# Altium PCB BMS_Slave_back.PcbDoc (part 1 of 2)
Units mil, origin at the board's own origin, x right, y up, seen from the top; angles counter-clockwise.
Board outline 10980 x 2910 mil, 5 copper layers (Top Layer, Mid-Layer 1, Layer 1, Layer 2, Bottom Layer), stack 37.756 mil thick; 359 components, 245 nets, 991 pads, 116 vias.
Unrouted connection lines stored in the file: 231.
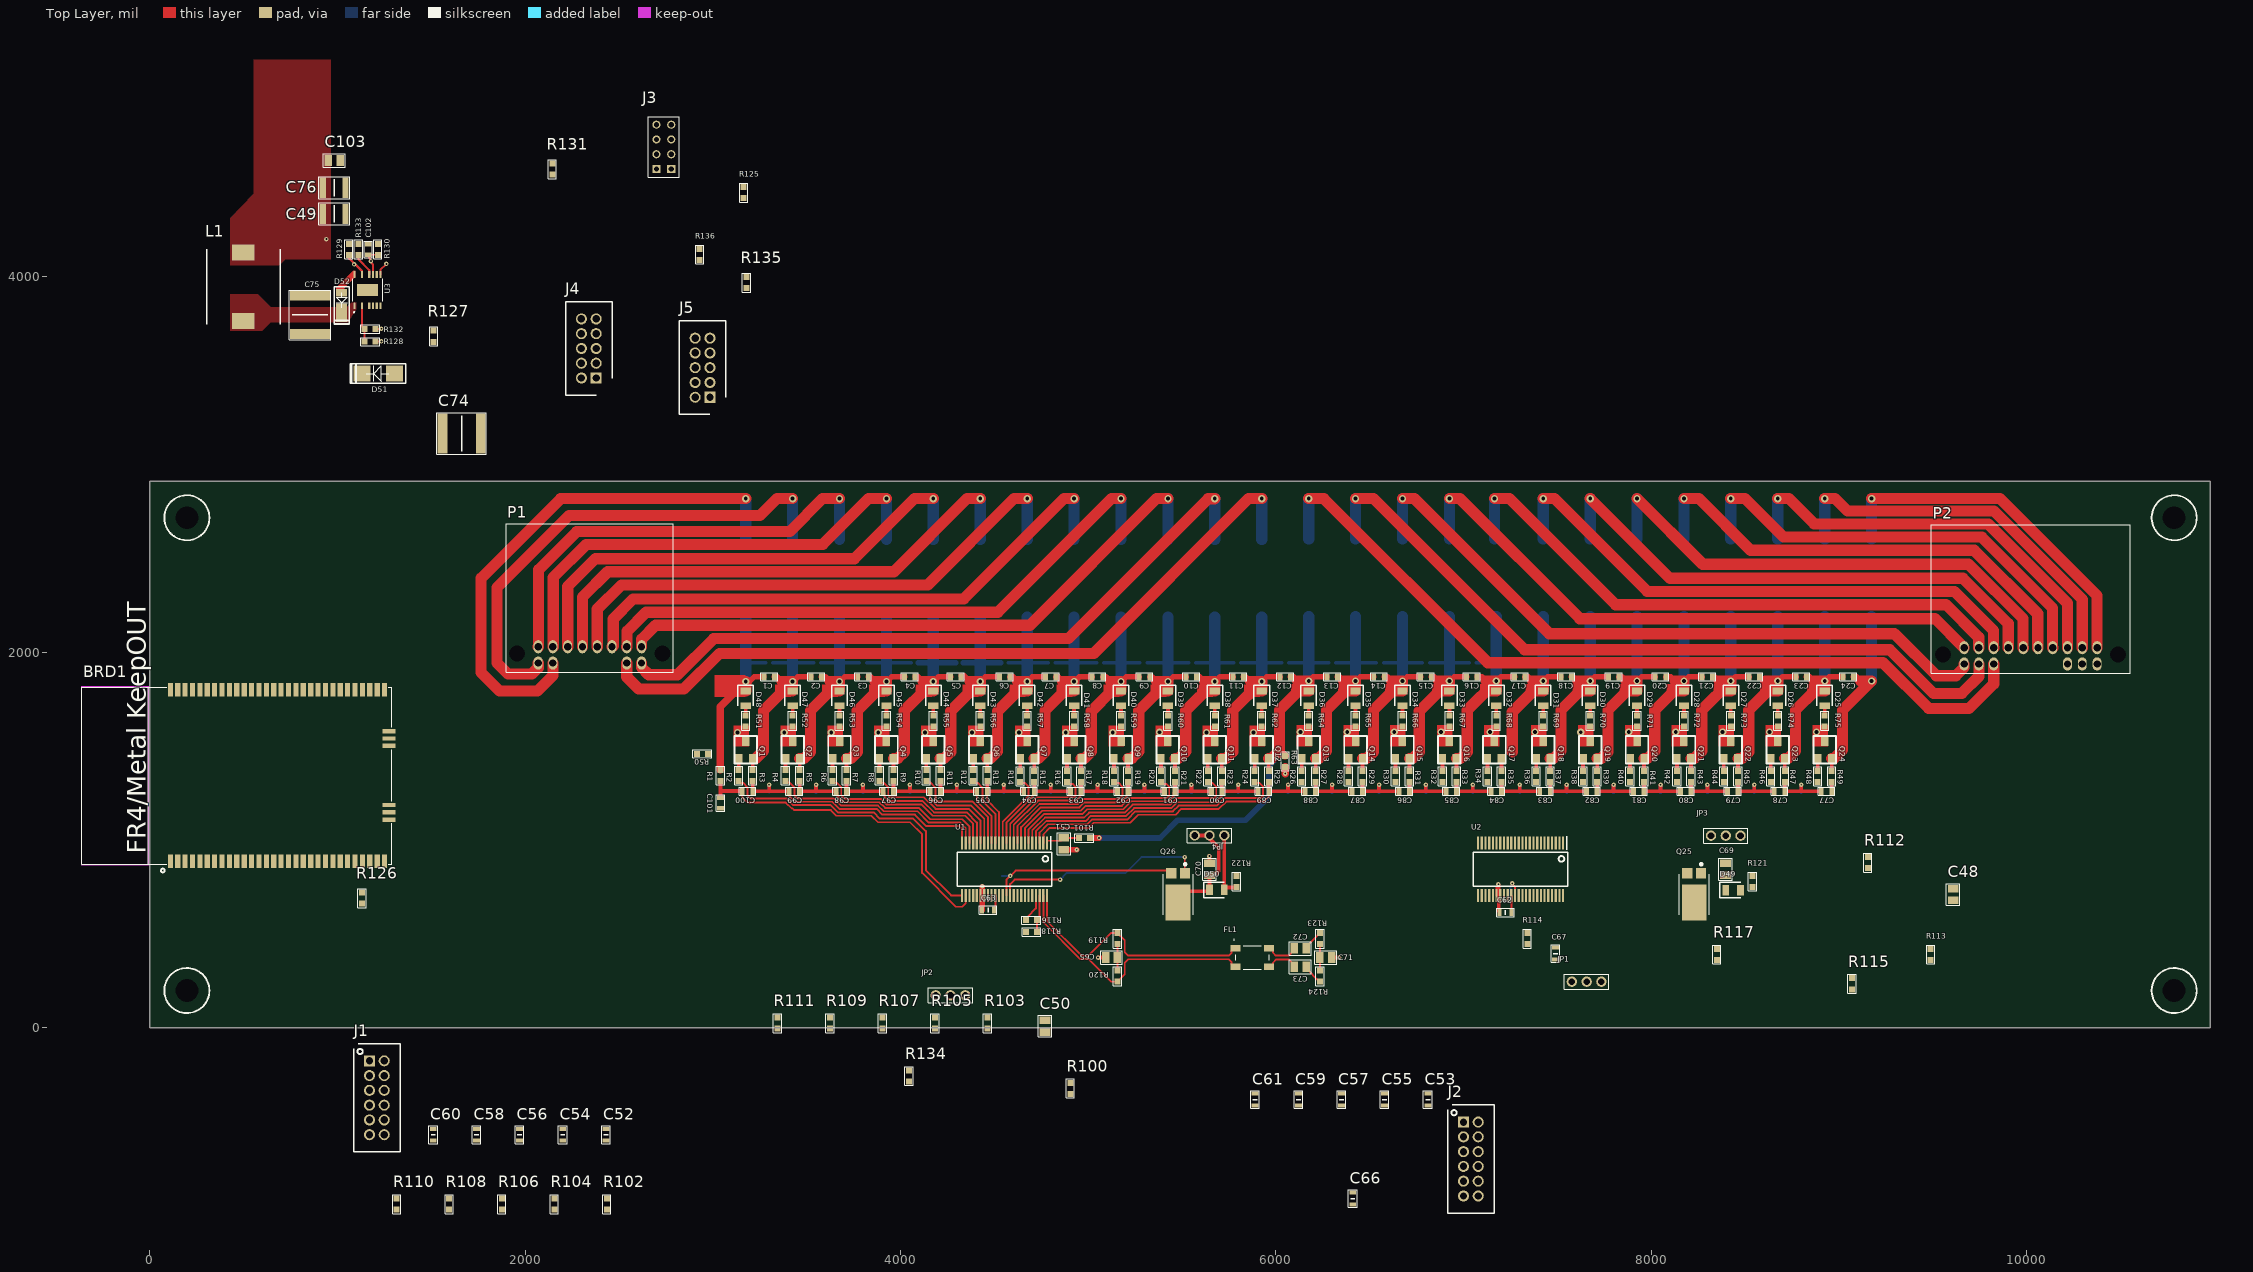
[diagram p0: Top Layer view]
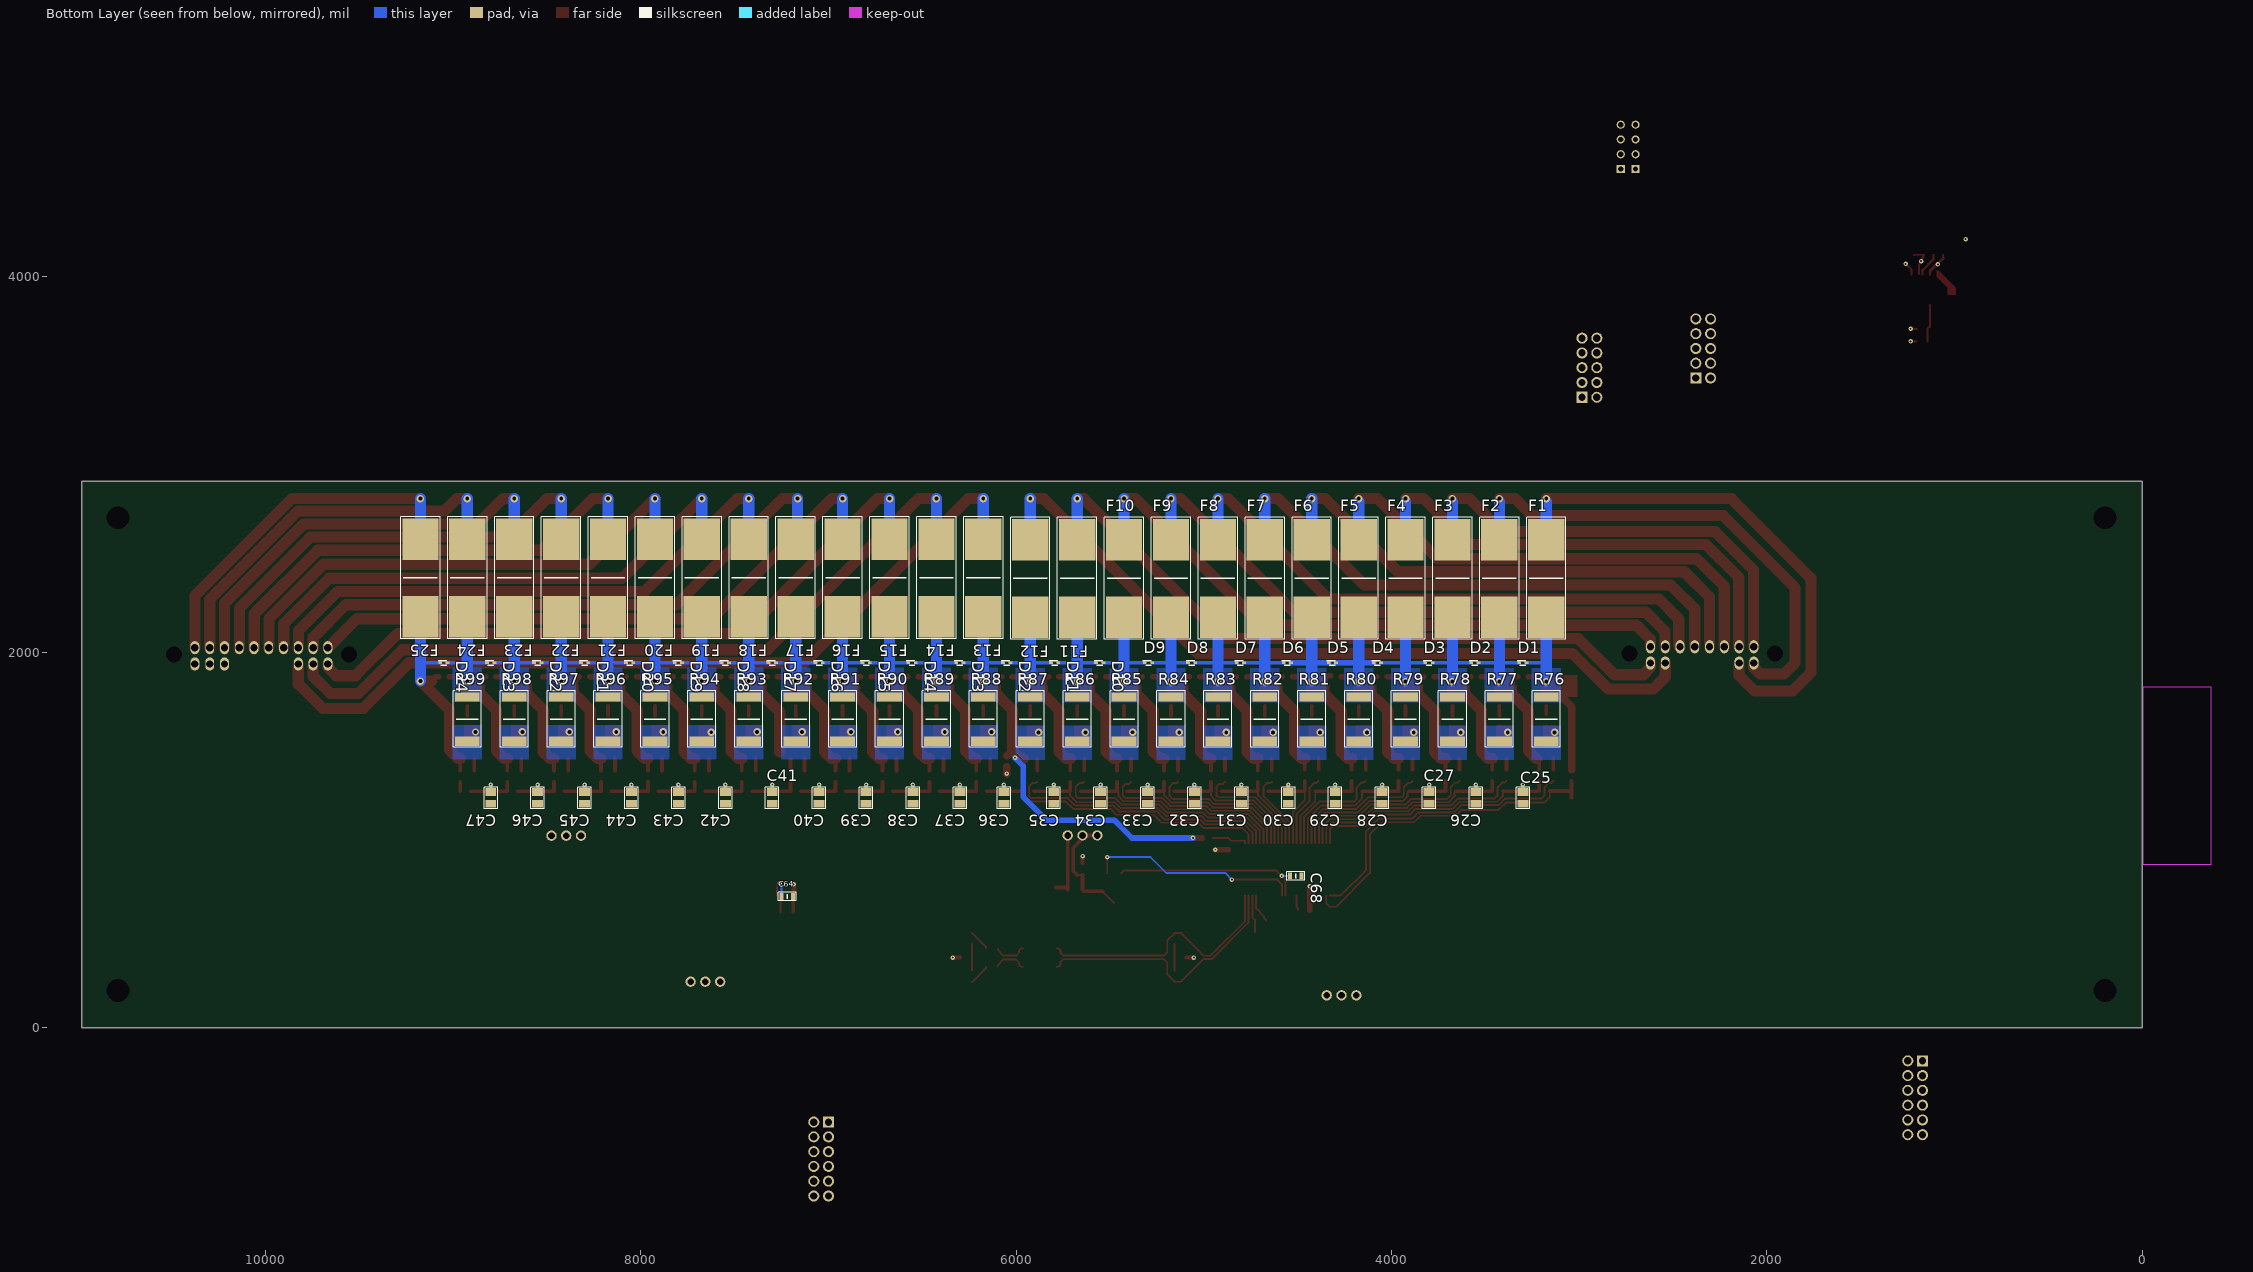
[diagram p1: Bottom Layer view, seen from below]
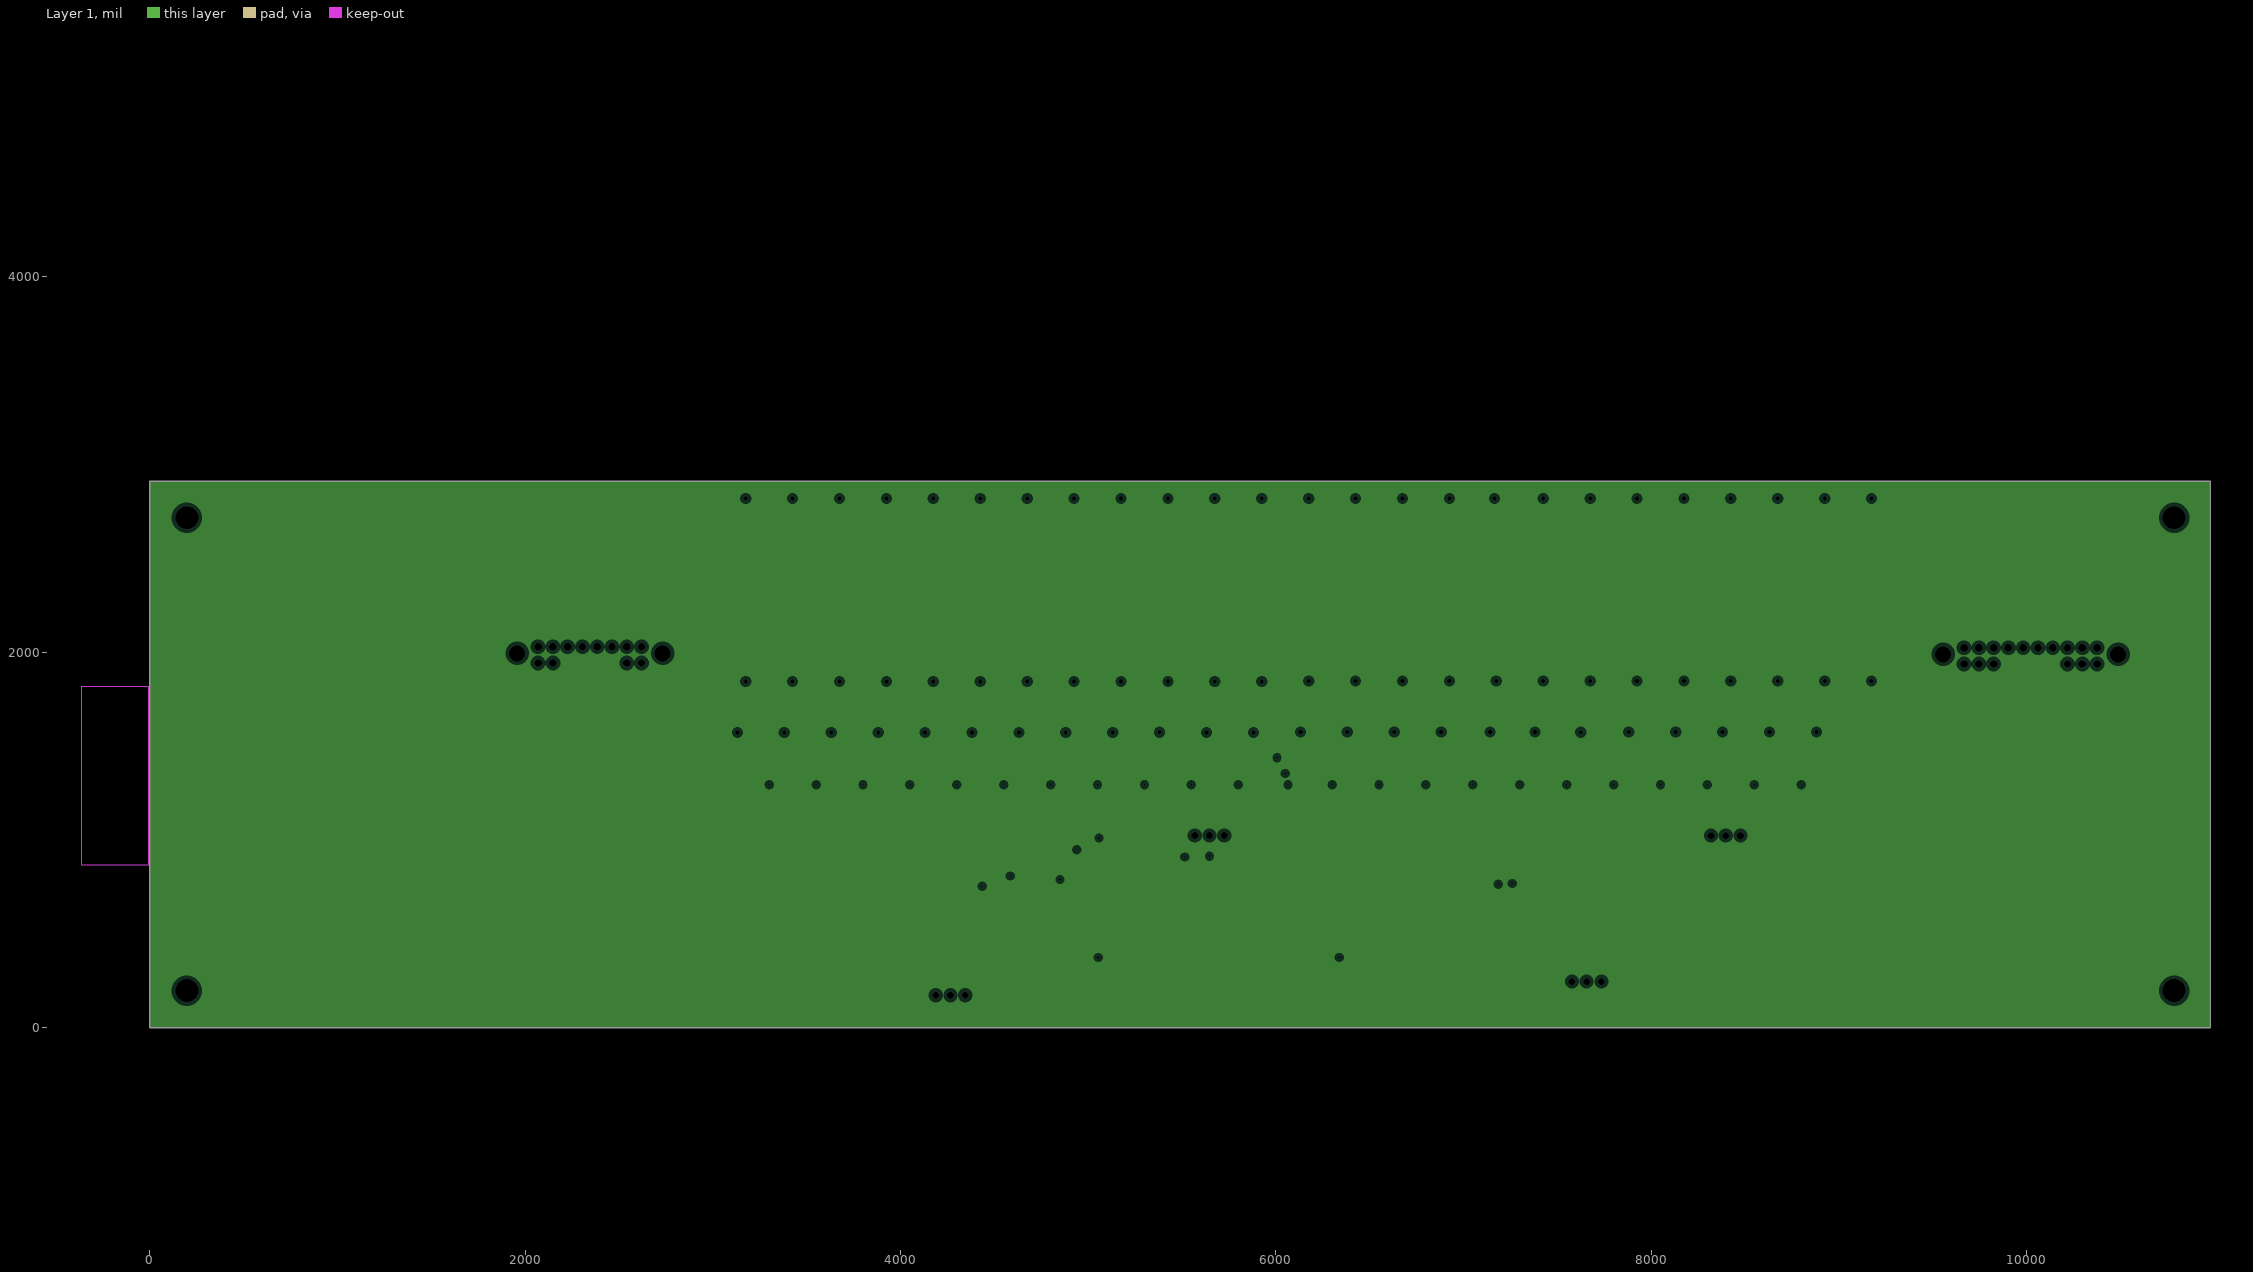
[diagram p2: Layer 1, clearances drawn from the general rule]
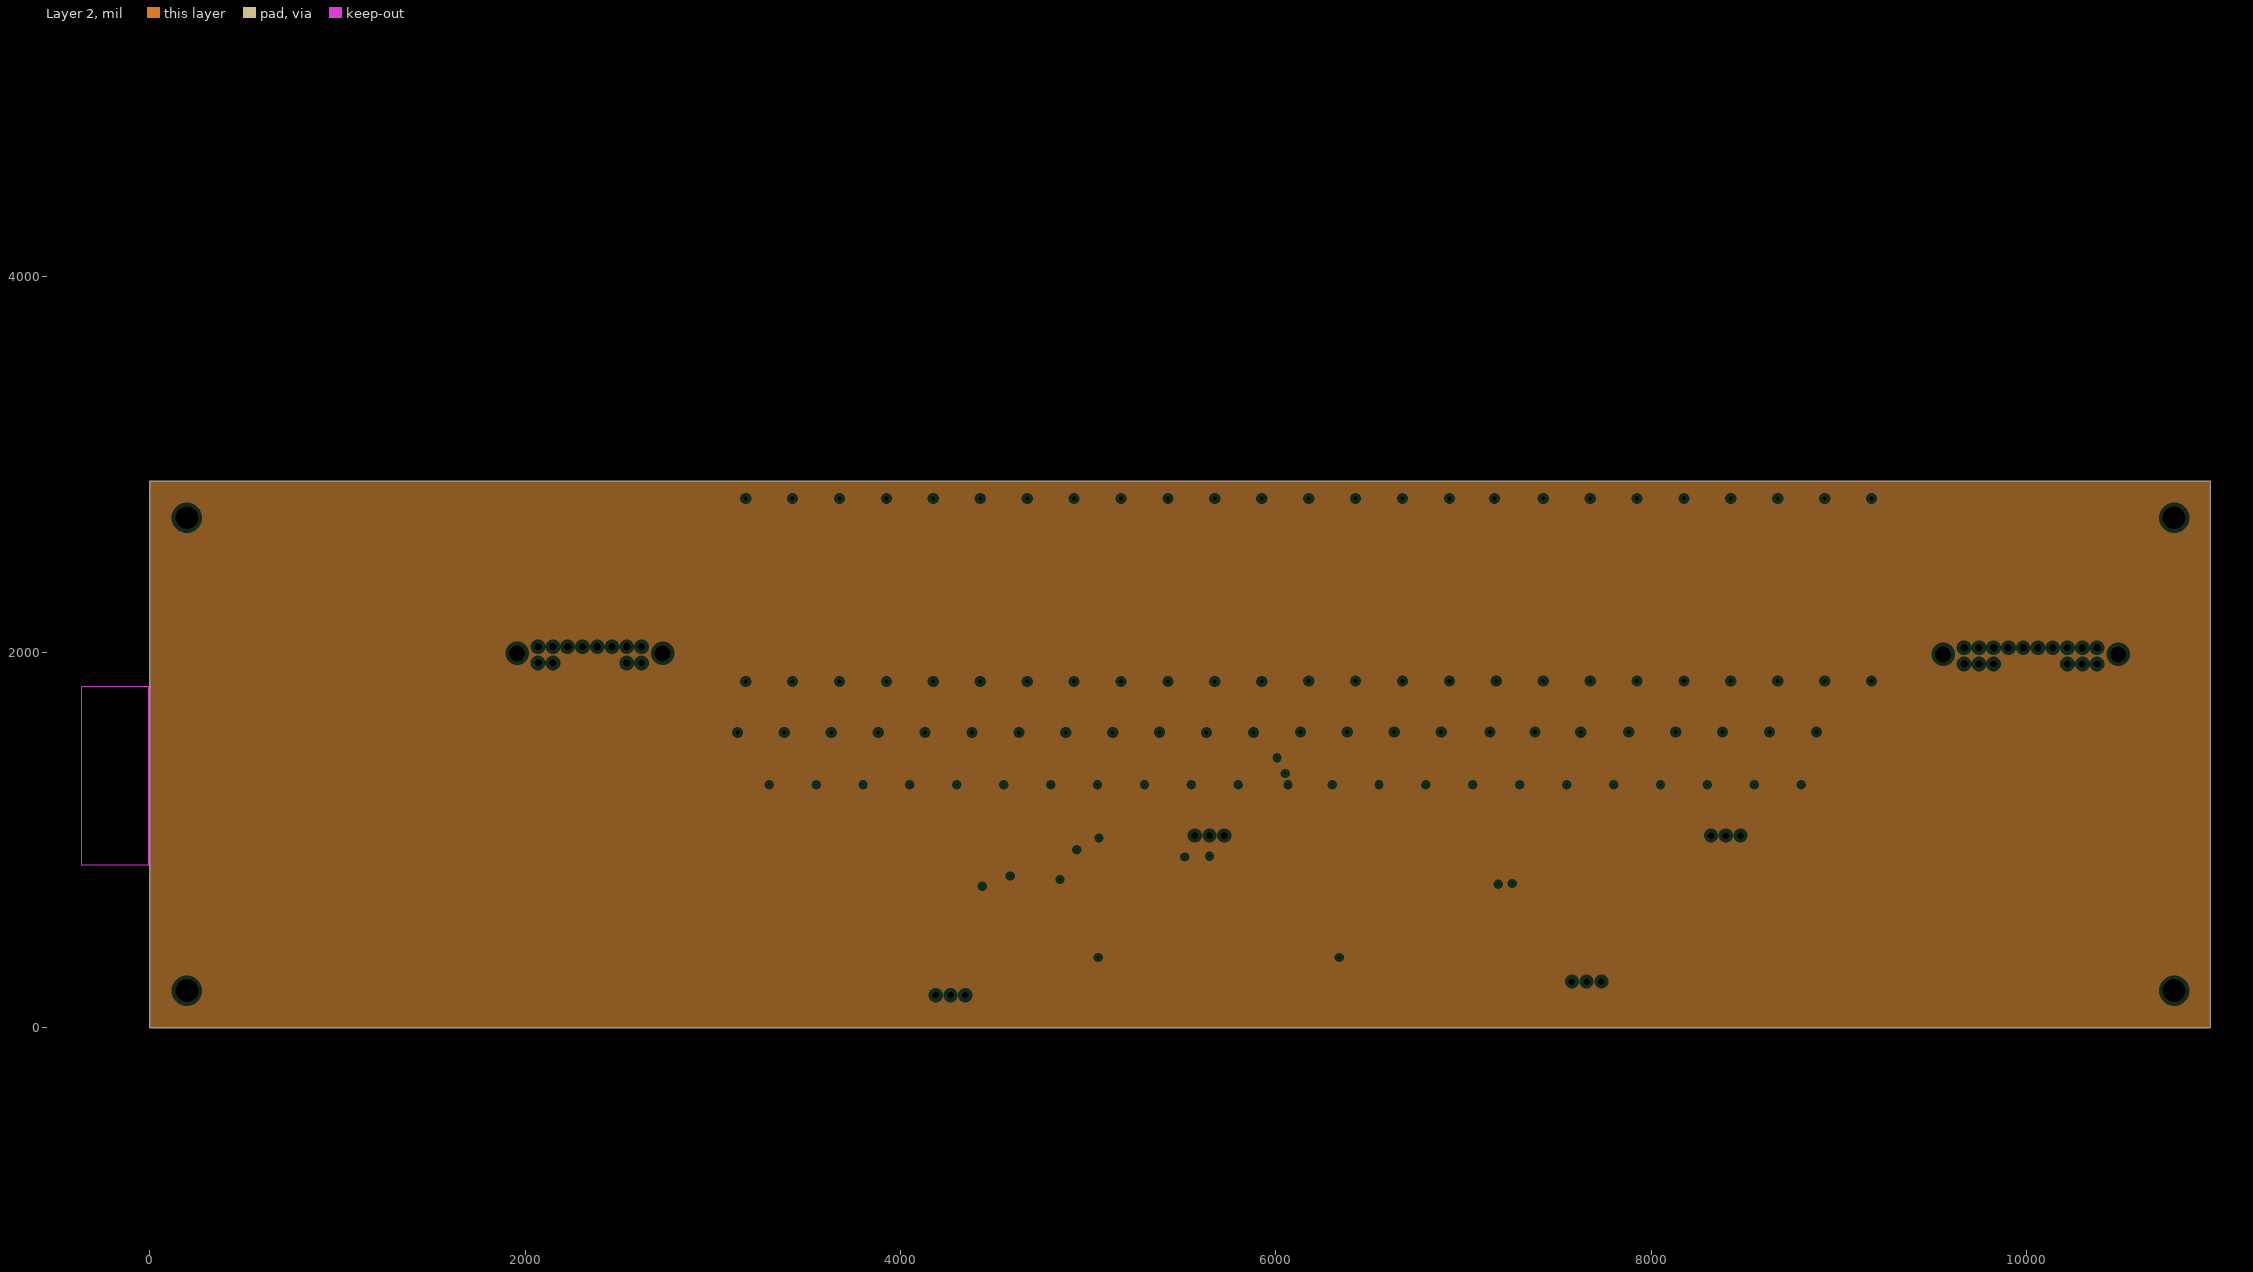
[diagram p3: Layer 2, clearances drawn from the general rule]

## Layer stack, top to bottom
Top Solder: solder mask 0.4, Solder Resist, Dk 3.5
Top Layer: signal copper 1.4
Dielectric 1: dielectric 12.6, FR-4, Dk 4.8
Mid-Layer 1: signal copper 1.4
Dielectric4: dielectric 12.6, FR-4, Dk 4.8
Layer 1: plane copper 1.3779
Dielectric 3: prepreg 2.8, PP-006, Dk 4.1
Layer 2: plane copper 1.3779
Dielectric 2: prepreg 2.8, PP-006, Dk 4.1
Bottom Layer: signal copper 1.4
Bottom Solder: solder mask 0.4, Solder Resist, Dk 3.5

## Board outline
0,0 10980,0 10980,2910 0,2910

## Design rules (kind name [scope] priority, off if disabled: settings)
Clearance [All] p1: gap=10 ignorepadtopadclearanceinfootprint=FALSE except(0: Arc-Hole Track-Hole SMDPad-Hole THPad-Hole Via-Hole Fill-Hole Poly-Hole Region-Hole Text-Hole; 2: SMDPad-SMDPad; 6: Arc-Arc Arc-Track Track-Track; 8: Arc-SMDPad Track-SMDPad)
DiffPairsRouting [All] p1: maxlimit=10 minlimit=8 mostfreqgap=10 toplayer_minwidth=10 toplayer_maxwidth=15 toplayer_prefwidth=15 midlayer1_mingap=10 midlayer1_minwidth=15 midlayer1_maxwidth=15 midlayer1_prefwidth=15 bottomlayer_minwidth=10 bottomlayer_maxwidth=15 bottomlayer_prefwidth=15 maxuncoupledlength=500
PlaneClearance [All] p1: clearance=20
PlaneConnect [All] p1: planeconnectstyle=Relief reliefexpansion=20 reliefentries=4 reliefconductorwidth=10 reliefairgap=10
PolygonConnect [All] p1: thpad.connectstyle=Relief thpad.reliefconductorwidth=10 thpad.reliefentries=4 thpad.polygonreliefangle="90 Angle" thpad.airgapwidth=10 smdpad.connectstyle=Direct smdpad.reliefconductorwidth=10 smdpad.reliefentries=4 smdpad.polygonreliefangle="90 Angle" smdpad.airgapwidth=10 via.connectstyle=Direct via.reliefconductorwidth=10 via.reliefentries=4 via.polygonreliefangle="90 Angle" via.airgapwidth=10
RoutingVias [All] p1: holewidth=28 width=50 viastyle="Through Hole" minholewidth=28 minwidth=50 maxholewidth=28 maxwidth=50
SolderMaskExpansion [All] p1: expansion=4
Width [All] p1: maxlimit=60 minlimit=10 preferedwidth=10
27 further rules are at their usual default settings.

## Classes and differential pairs
differential pair ISO_SPI_MED: +ISO_SPI_MED_P -ISO_SPI_MED_N
differential pair ISO_SPI_TOP: +ISO_SPI_TOP_P -ISO_SPI_TOP_N
differential pair ISO_SPI_BOTTOM: +ISO_SPI_BOTTOM_P -ISO_SPI_BOTTOM_N

## Components (designator, comment, footprint, x,y, rotation, side; value= is the part's Value field where it differs from the comment)
BRD1 "LTP5901-IPM" LTP5901-IPM 108.82,886.61 r90 top
C1 "C0603C104K3RACTU" CAPC1608X85N 3300,1868.66 r180 top
C2 "C0603C104K3RACTU" CAPC1608X85N 3550,1868.66 r180 top
C3 "C0603C104K3RACTU" CAPC1608X85N 3800,1868.66 r180 top
C4 "C0603C104K3RACTU" CAPC1608X85N 4050,1868.66 r180 top
C5 "C0603C104K3RACTU" CAPC1608X85N 4295,1868.66 r180 top
C6 "C0603C104K3RACTU" CAPC1608X85N 4555,1868.66 r180 top
C7 "C0603C104K3RACTU" CAPC1608X85N 4800,1868.66 r180 top
C8 "C0603C104K3RACTU" CAPC1608X85N 5050,1868.66 r180 top
C9 "C0603C104K3RACTU" CAPC1608X85N 5300,1868.66 r180 top
C10 "C0603C104K3RACTU" CAPC1608X85N 5550,1868.66 r180 top
C11 "C0603C104K3RACTU" CAPC1608X85N 5800,1868.66 r180 top
C12 "C0603C104K3RACTU" CAPC1608X85N 6050,1868.66 r180 top
C13 "C0603C104K3RACTU" CAPC1608X85N 6300,1868.66 r180 top
C14 "C0603C104K3RACTU" CAPC1608X85N 6550,1868.66 r180 top
C15 "C0603C104K3RACTU" CAPC1608X85N 6800,1868.66 r180 top
C16 "C0603C104K3RACTU" CAPC1608X85N 7045,1868.66 r180 top
C17 "C0603C104K3RACTU" CAPC1608X85N 7300,1868.66 r180 top
C18 "C0603C104K3RACTU" CAPC1608X85N 7547.36,1868.66 r180 top
C19 "C0603C104K3RACTU" CAPC1608X85N 7800,1868.66 r180 top
C20 "C0603C104K3RACTU" CAPC1608X85N 8050,1868.66 r180 top
C21 "C0603C104K3RACTU" CAPC1608X85N 8300,1868.66 r180 top
C22 "C0603C104K3RACTU" CAPC1608X85N 8550,1868.66 r180 top
C23 "C0603C104K3RACTU" CAPC1608X85N 8800,1868.66 r180 top
C24 "C0603C104K3RACTU" CAPC1608X85N 9050,1868.66 r180 top
C25 "200V, 0.01uF, 0603, X7R" CAPC2012X88N 3300,1223.66 r270 bottom
C26 "200V, 0.01uF, 0603, X7R" CAPC2012X88N 3550,1223.66 r270 bottom
C27 "200V, 0.01uF, 0603, X7R" CAPC2012X88N 3800,1223.66 r270 bottom
C28 "200V, 0.01uF, 0603, X7R" CAPC2012X88N 4050,1223.66 r270 bottom
C29 "200V, 0.01uF, 0603, X7R" CAPC2012X88N 4300,1223.66 r270 bottom
C30 "200V, 0.01uF, 0603, X7R" CAPC2012X88N 4550,1223.66 r270 bottom
C31 "200V, 0.01uF, 0603, X7R" CAPC2012X88N 4800,1223.66 r270 bottom
C32 "200V, 0.01uF, 0603, X7R" CAPC2012X88N 5050,1223.66 r270 bottom
C33 "200V, 0.01uF, 0603, X7R" CAPC2012X88N 5300,1223.66 r270 bottom
C34 "200V, 0.01uF, 0603, X7R" CAPC2012X88N 5550,1223.66 r270 bottom
C35 "200V, 0.01uF, 0603, X7R" CAPC2012X88N 5800,1223.66 r270 bottom
C36 "200V, 0.01uF, 0603, X7R" CAPC2012X88N 6065,1223.66 r270 bottom
C37 "200V, 0.01uF, 0603, X7R" CAPC2012X88N 6300,1223.66 r270 bottom
C38 "200V, 0.01uF, 0603, X7R" CAPC2012X88N 6550,1223.66 r270 bottom
C39 "200V, 0.01uF, 0603, X7R" CAPC2012X88N 6800,1223.66 r270 bottom
C40 "200V, 0.01uF, 0603, X7R" CAPC2012X88N 7050,1223.66 r270 bottom
C41 "200V, 0.01uF, 0603, X7R" CAPC2012X88N 7300,1223.66 r270 bottom
C42 "200V, 0.01uF, 0603, X7R" CAPC2012X88N 7550,1223.66 r270 bottom
C43 "200V, 0.01uF, 0603, X7R" CAPC2012X88N 7800,1223.66 r270 bottom
C44 "200V, 0.01uF, 0603, X7R" CAPC2012X88N 8050,1223.66 r270 bottom
C45 "200V, 0.01uF, 0603, X7R" CAPC2012X88N 8300,1223.66 r270 bottom
C46 "200V, 0.01uF, 0603, X7R" CAPC2012X88N 8550,1223.66 r270 bottom
C47 "200V, 0.01uF, 0603, X7R" CAPC2012X88N 8800,1223.66 r270 bottom
C48 "200V, 0.01uF, 0603, X7R" CAPC2012X88N 9610,708.66 r270 top
C49 "GRM32ER61A107ME20L" CAPC3225X270N 982,4336 r0 top
C50 "200V, 0.01uF, 0603, X7R" CAPC2012X88N 4770,7.56 r270 top
C51 "200V, 0.01uF, 0603, X7R" CAPC2012X88N 4870,978.66 r270 top
C52 "CGA3E1X7R1E105K080AC" CAPC1608X90N 2430,-571.34 r270 top
C53 "CGA3E1X7R1E105K080AC" CAPC1608X90N 6810,-383.94 r270 top
C54 "CGA3E1X7R1E105K080AC" CAPC1608X90N 2200,-571.34 r270 top
C55 "CGA3E1X7R1E105K080AC" CAPC1608X90N 6580,-383.94 r270 top
C56 "CGA3E1X7R1E105K080AC" CAPC1608X90N 1970,-571.34 r270 top
C57 "CGA3E1X7R1E105K080AC" CAPC1608X90N 6350,-383.94 r270 top
C58 "CGA3E1X7R1E105K080AC" CAPC1608X90N 1740,-571.34 r270 top
C59 "CGA3E1X7R1E105K080AC" CAPC1608X90N 6120,-383.94 r270 top
C60 "CGA3E1X7R1E105K080AC" CAPC1608X90N 1510,-571.34 r270 top
C61 "CGA3E1X7R1E105K080AC" CAPC1608X90N 5890,-383.94 r270 top
C62 "CGA3E1X7R1E105K080AC" CAPC1608X90N 7223.7,613.66 r180 top
C63 "CGA3E1X7R1E105K080AC" CAPC1608X90N 4466.5,625.66 r180 top
C64 "CGA3E1X7R1E105K080AC" CAPC1608X90N 7220,698.66 r180 bottom
C65 "200V, 0.01uF, 0603, X7R" CAPC2012X88N 5124.5,373.08 r180 top
C66 "CGA3E1X7R1E105K080AC" CAPC1608X90N 6410,-911.34 r270 top
C67 "CGA3E1X7R1E105K080AC" CAPC1608X90N 7490,393.66 r270 top
C68 "CGA3E1X7R1E105K080AC" CAPC1608X90N 4509.97,807.52 r180 bottom
C69 "200V, 0.01uF, 0603, X7R" CAPC2012X88N 8396.52,843.66 r90 top
C70 "200V, 0.01uF, 0603, X7R" CAPC2012X88N 5646.52,843.66 r90 top
C71 "200V, 0.01uF, 0603, X7R" CAPC2012X88N 6266.5,373.08 r0 top
C72 "200V, 0.01uF, 0603, X7R" CAPC2012X88N 6130,422.29 r180 top
C73 "200V, 0.01uF, 0603, X7R" CAPC2012X88N 6130,323.87 r180 top
C74 "C2220C105KARACAUTO" CAPC5750X165N 1661,3166 r0 top
C75 "C2220C105KARACAUTO" CAPC5750X165N 853.58,3797.68 r90 top
C76 "GRM32ER61A107ME20L" CAPC3225X270N 982,4475 r0 top
C77 "200V, 0.01uF, 0603, X7R" CAPC1608X85N 8934.4,1258.66 r180 top
C78 "200V, 0.01uF, 0603, X7R" CAPC1608X85N 8684.4,1258.66 r180 top
C79 "200V, 0.01uF, 0603, X7R" CAPC1608X85N 8434.4,1258.66 r180 top
C80 "200V, 0.01uF, 0603, X7R" CAPC1608X85N 8184.4,1258.66 r180 top
C81 "200V, 0.01uF, 0603, X7R" CAPC1608X85N 7934.4,1258.66 r180 top
C82 "200V, 0.01uF, 0603, X7R" CAPC1608X85N 7684.4,1258.66 r180 top
C83 "200V, 0.01uF, 0603, X7R" CAPC1608X85N 7434.4,1258.66 r180 top
C84 "200V, 0.01uF, 0603, X7R" CAPC1608X85N 7174.4,1258.66 r180 top
C85 "200V, 0.01uF, 0603, X7R" CAPC1608X85N 6934.4,1258.66 r180 top
C86 "200V, 0.01uF, 0603, X7R" CAPC1608X85N 6684.4,1258.66 r180 top
C87 "200V, 0.01uF, 0603, X7R" CAPC1608X85N 6434.4,1258.66 r180 top
C88 "200V, 0.01uF, 0603, X7R" CAPC1608X85N 6184.4,1258.66 r180 top
C89 "200V, 0.01uF, 0603, X7R" CAPC1608X85N 5934.4,1258.66 r180 top
C90 "200V, 0.01uF, 0603, X7R" CAPC1608X85N 5684.4,1258.66 r180 top
C91 "200V, 0.01uF, 0603, X7R" CAPC1608X85N 5434.4,1258.66 r180 top
C92 "200V, 0.01uF, 0603, X7R" CAPC1608X85N 5184.4,1258.66 r180 top
C93 "200V, 0.01uF, 0603, X7R" CAPC1608X85N 4934.4,1258.66 r180 top
C94 "200V, 0.01uF, 0603, X7R" CAPC1608X85N 4684.4,1258.66 r180 top
C95 "200V, 0.01uF, 0603, X7R" CAPC1608X85N 4434.4,1258.66 r180 top
C96 "200V, 0.01uF, 0603, X7R" CAPC1608X85N 4184.4,1258.66 r180 top
C97 "200V, 0.01uF, 0603, X7R" CAPC1608X85N 3934.4,1258.66 r180 top
C98 "200V, 0.01uF, 0603, X7R" CAPC1608X85N 3684.4,1258.66 r180 top
C99 "200V, 0.01uF, 0603, X7R" CAPC1608X85N 3434.4,1258.66 r180 top
C100 "200V, 0.01uF, 0603, X7R" CAPC1608X85N 3184.4,1258.66 r180 top
C101 "200V, 0.01uF, 0603, X7R" CAPC1608X85N 3040,1196.66 r270 top
C102 "200V, 0.01uF, 0603, X7R" CAPC1608X85N 1163.39,4145.87 r90 top
C103 "200V, 0.01uF, 0603, X7R" CAPC2012X88N 982,4621 r0 top
D1 "SZESD9101P2T5G" SODFL1006X40N 3300,1943.66 r180 bottom
D2 "SZESD9101P2T5G" SODFL1006X40N 3555.32,1943.66 r180 bottom
D3 "SZESD9101P2T5G" SODFL1006X40N 3800,1943.66 r180 bottom
D4 "SZESD9101P2T5G" SODFL1006X40N 4075,1943.66 r180 bottom
D5 "SZESD9101P2T5G" SODFL1006X40N 4314.69,1943.66 r180 bottom
D6 "SZESD9101P2T5G" SODFL1006X40N 4554.69,1943.66 r180 bottom
D7 "SZESD9101P2T5G" SODFL1006X40N 4805,1943.66 r180 bottom
D8 "SZESD9101P2T5G" SODFL1006X40N 5065,1943.66 r180 bottom
D9 "SZESD9101P2T5G" SODFL1006X40N 5294.69,1943.66 r180 bottom
D10 "SZESD9101P2T5G" SODFL1006X40N 5555,1943.66 r180 bottom
D11 "SZESD9101P2T5G" SODFL1006X40N 5795.31,1943.66 r180 bottom
D12 "SZESD9101P2T5G" SODFL1006X40N 6050,1943.66 r180 bottom
D13 "SZESD9101P2T5G" SODFL1006X40N 6300,1943.66 r180 bottom
D14 "SZESD9101P2T5G" SODFL1006X40N 6555,1943.66 r180 bottom
D15 "SZESD9101P2T5G" SODFL1006X40N 6800,1943.66 r180 bottom
D16 "SZESD9101P2T5G" SODFL1006X40N 7050,1943.66 r180 bottom
D17 "SZESD9101P2T5G" SODFL1006X40N 7300,1943.66 r180 bottom
D18 "SZESD9101P2T5G" SODFL1006X40N 7550,1943.66 r180 bottom
D19 "SZESD9101P2T5G" SODFL1006X40N 7800,1943.66 r180 bottom
D20 "SZESD9101P2T5G" SODFL1006X40N 8060,1943.66 r180 bottom
D21 "SZESD9101P2T5G" SODFL1006X40N 8300,1943.66 r180 bottom
D22 "SZESD9101P2T5G" SODFL1006X40N 8550,1943.66 r180 bottom
D23 "SZESD9101P2T5G" SODFL1006X40N 8800,1943.66 r180 bottom
D24 "SZESD9101P2T5G" SODFL1006X40N 9050,1943.66 r180 bottom
D25 "SML-210VTT86" LEDC2012X80N 8925,1753.66 r270 top
D26 "SML-210VTT86" LEDC2012X80N 8675,1753.66 r270 top
D27 "SML-210VTT86" LEDC2012X80N 8425,1753.66 r270 top
D28 "SML-210VTT86" LEDC2012X80N 8175,1753.66 r270 top
D29 "SML-210VTT86" LEDC2012X80N 7925,1753.66 r270 top
D30 "SML-210VTT86" LEDC2012X80N 7675,1753.66 r270 top
D31 "SML-210VTT86" LEDC2012X80N 7424.84,1753.66 r270 top
D32 "SML-210VTT86" LEDC2012X80N 7175,1753.66 r270 top
D33 "SML-210VTT86" LEDC2012X80N 6925,1753.66 r270 top
D34 "SML-210VTT86" LEDC2012X80N 6675,1753.66 r270 top
D35 "SML-210VTT86" LEDC2012X80N 6425,1753.66 r270 top
D36 "SML-210VTT86" LEDC2012X80N 6175,1753.66 r270 top
D37 "SML-210VTT86" LEDC2012X80N 5925,1753.66 r270 top
D38 "SML-210VTT86" LEDC2012X80N 5675,1753.66 r270 top
D39 "SML-210VTT86" LEDC2012X80N 5425,1753.66 r270 top
D40 "SML-210VTT86" LEDC2012X80N 5175,1753.66 r270 top
D41 "SML-210VTT86" LEDC2012X80N 4925,1753.66 r270 top
D42 "SML-210VTT86" LEDC2012X80N 4675,1753.66 r270 top
D43 "SML-210VTT86" LEDC2012X80N 4425,1753.66 r270 top
D44 "SML-210VTT86" LEDC2012X80N 4175,1753.66 r270 top
D45 "SML-210VTT86" LEDC2012X80N 3925,1753.66 r270 top
D46 "SML-210VTT86" LEDC2012X80N 3675,1753.66 r270 top
D47 "SML-210VTT86" LEDC2012X80N 3425.16,1753.66 r270 top
D48 "SML-210VTT86" LEDC2012X80N 3175,1753.66 r270 top
D49 "SML-210VTT86" LEDC2012X80N 8437.11,732.44 r0 top
D50 "SML-210VTT86" LEDC2012X80N 5685.89,733.66 r0 top
D51 "1N4007" DIOM5327X242N 1217,3486 r0 top
D52 "SBR1A400P1-7" POWERDI123 1022,3847.68 r90 top
F1 "0885001.DR" FUSC10948X488N 3175,2393.66 r270 bottom
F2 "0885001.DR" FUSC10948X488N 3425,2393.66 r270 bottom
F3 "0885001.DR" FUSC10948X488N 3675,2393.66 r270 bottom
F4 "0885001.DR" FUSC10948X488N 3925,2393.66 r270 bottom
F5 "0885001.DR" FUSC10948X488N 4175,2393.66 r270 bottom
F6 "0885001.DR" FUSC10948X488N 4425,2393.66 r270 bottom